# KiCad board panel.opm-inline.kicad_pcb (continued)
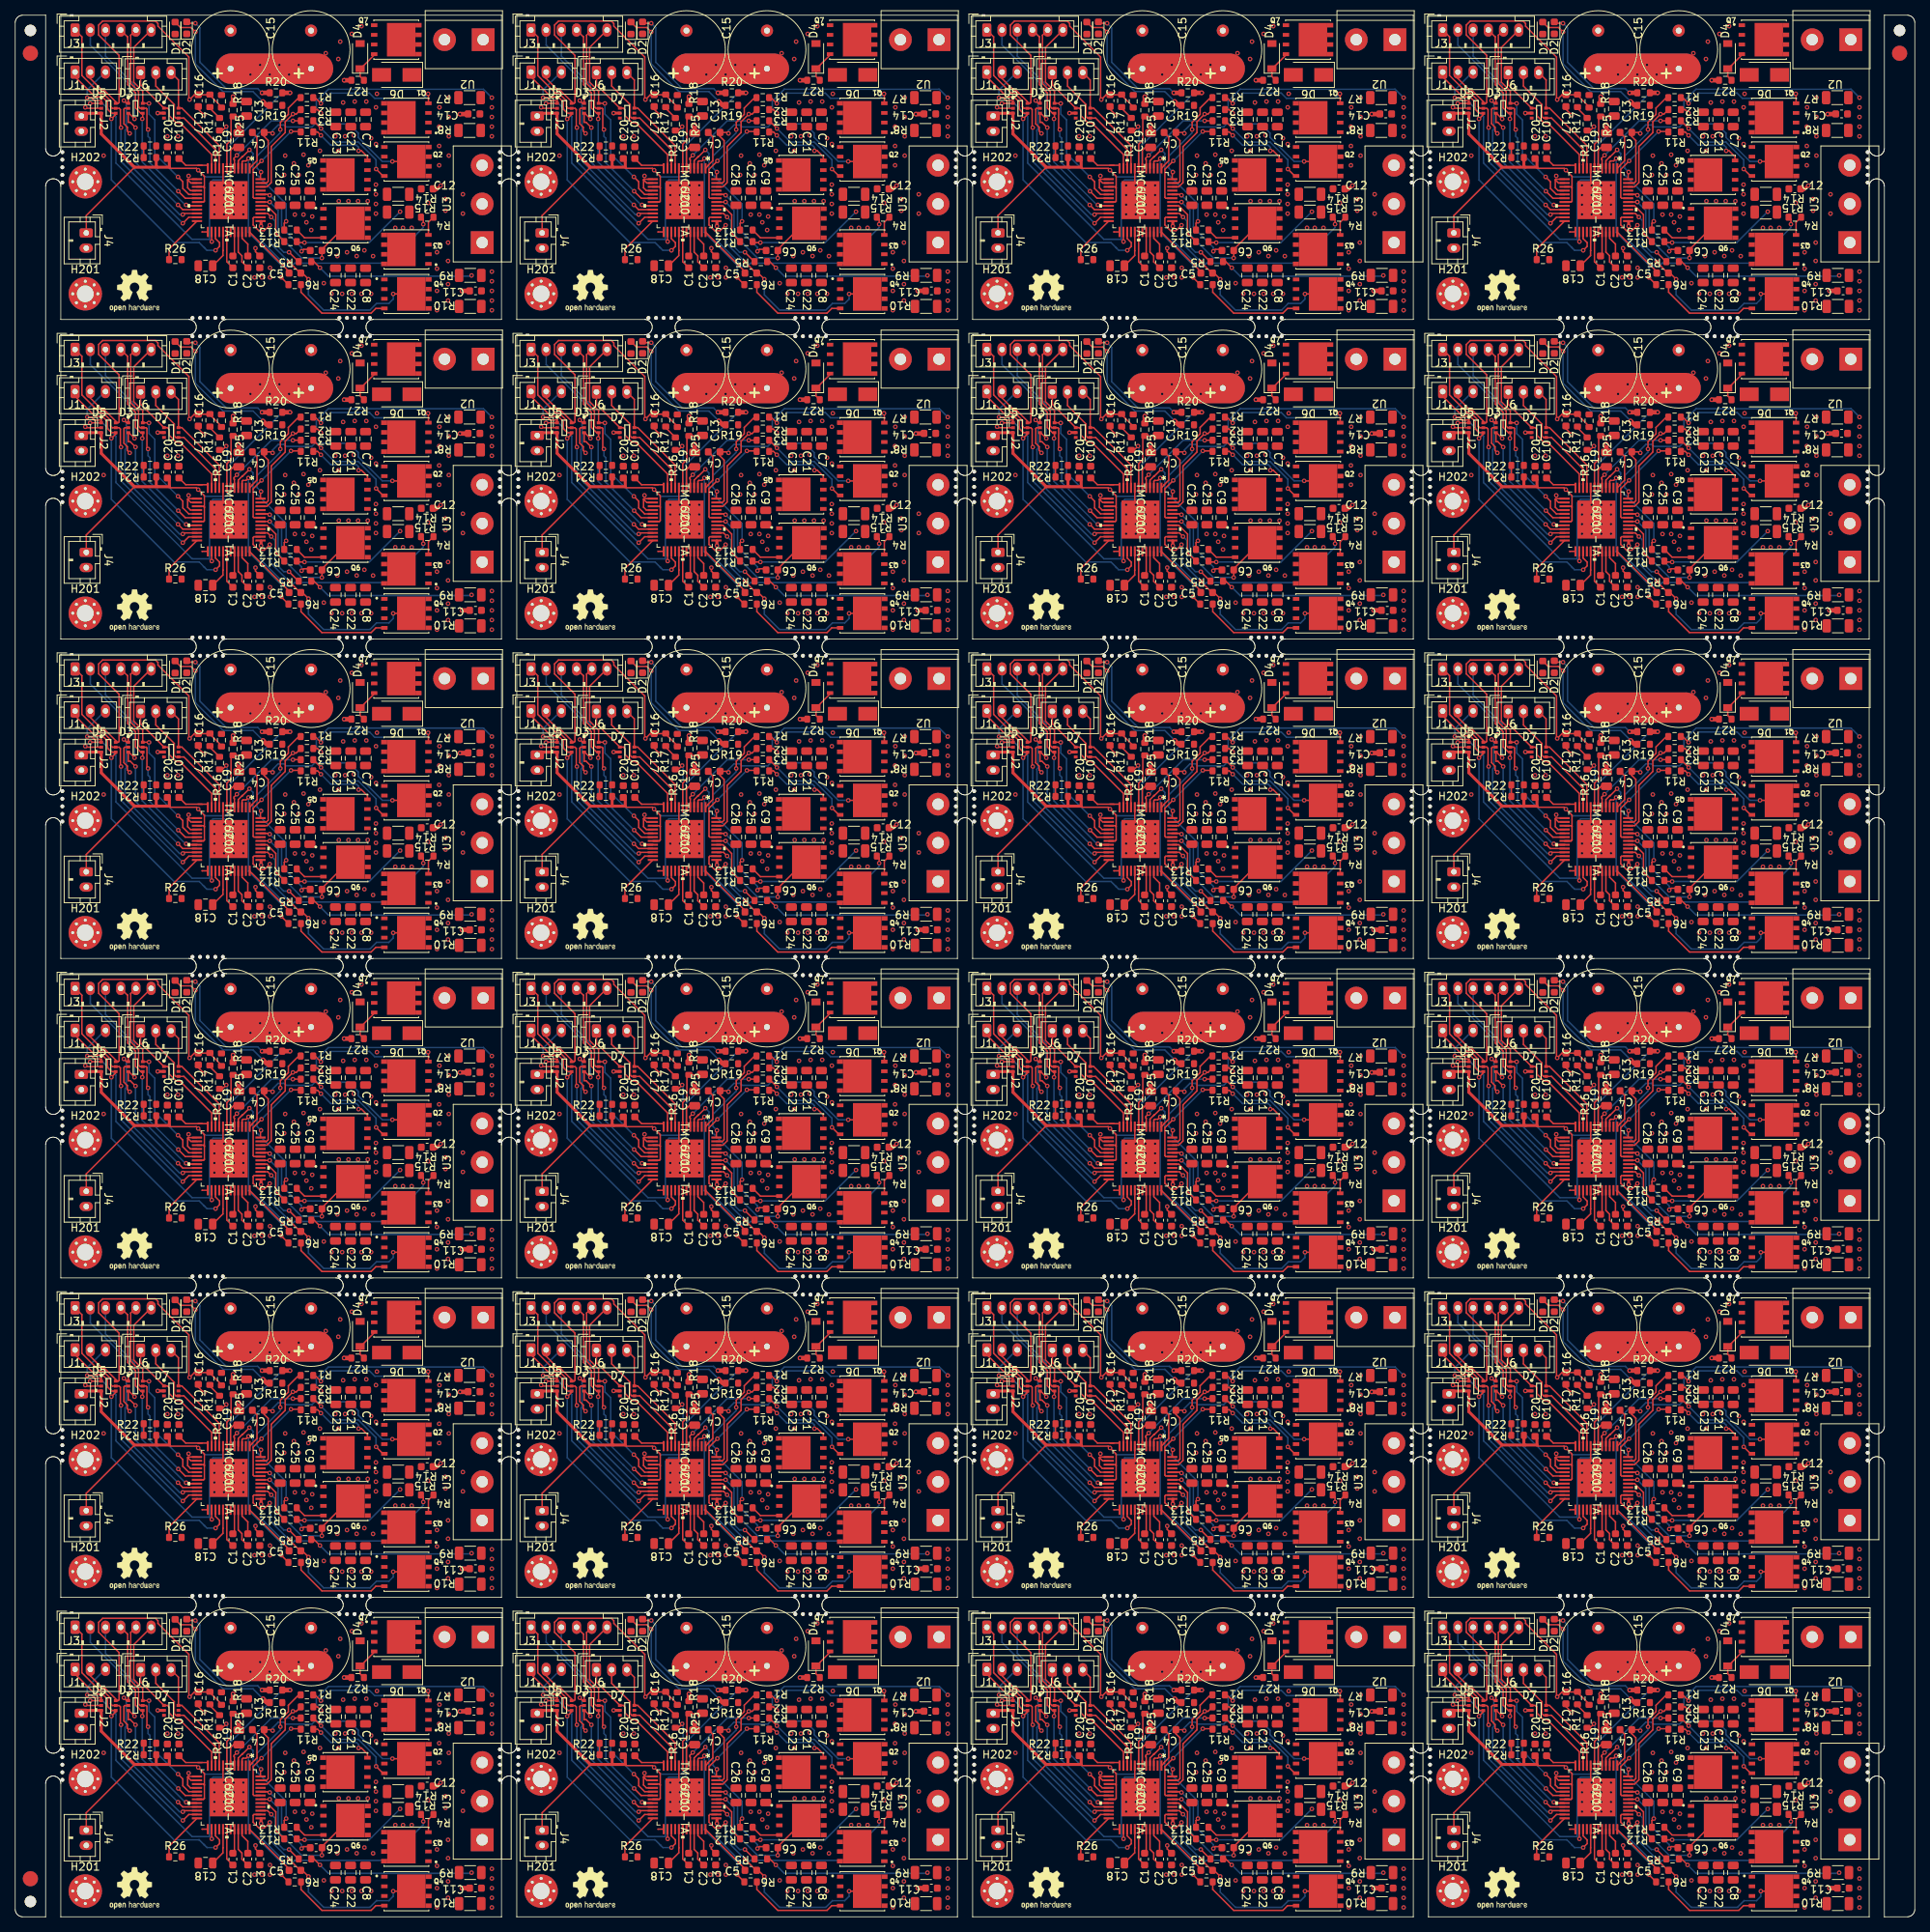
[diagram p0: board, top side]
## Placement (name value [footprint] x y rotation side) (continued)
R3#24  2R2/1%  [R_0603_1608Metric]  218.23 68.12 180 top
R4  2R2/1%  [R_0603_1608Metric]  234.03 223.41 180 top
R4#2  2R2/1%  [R_0603_1608Metric]  174.08 55.45 180 top
R4#3  2R2/1%  [R_0603_1608Metric]  234.03 97.44 180 top
R4#4  2R2/1%  [R_0603_1608Metric]  174.08 13.46 180 top
R4#5  2R2/1%  [R_0603_1608Metric]  234.03 55.45 180 top
R4#6  2R2/1%  [R_0603_1608Metric]  114.13 55.45 180 top
R4#7  2R2/1%  [R_0603_1608Metric]  54.18 223.41 180 top
R4#8  2R2/1%  [R_0603_1608Metric]  234.03 181.42 180 top
R4#9  2R2/1%  [R_0603_1608Metric]  54.18 181.42 180 top
R4#10  2R2/1%  [R_0603_1608Metric]  174.08 139.43 180 top
R4#11  2R2/1%  [R_0603_1608Metric]  114.13 223.41 180 top
R4#12  2R2/1%  [R_0603_1608Metric]  54.18 139.43 180 top
R4#13  2R2/1%  [R_0603_1608Metric]  174.08 97.44 180 top
R4#14  2R2/1%  [R_0603_1608Metric]  174.08 223.41 180 top
R4#15  2R2/1%  [R_0603_1608Metric]  114.13 13.46 180 top
R4#16  2R2/1%  [R_0603_1608Metric]  54.18 97.44 180 top
R4#17  2R2/1%  [R_0603_1608Metric]  54.18 55.45 180 top
R4#18  2R2/1%  [R_0603_1608Metric]  114.13 139.43 180 top
R4#19  2R2/1%  [R_0603_1608Metric]  114.13 97.44 180 top
R4#20  2R2/1%  [R_0603_1608Metric]  174.08 181.42 180 top
R4#21  2R2/1%  [R_0603_1608Metric]  114.13 181.42 180 top
R4#22  2R2/1%  [R_0603_1608Metric]  54.18 13.46 180 top
R4#23  2R2/1%  [R_0603_1608Metric]  234.03 139.43 180 top
R4#24  2R2/1%  [R_0603_1608Metric]  234.03 13.46 180 top
R5  10R/1%  [R_0603_1608Metric]  217.96 49.6 180 top
R5#2  10R/1%  [R_0603_1608Metric]  38.11 133.58 180 top
R5#3  10R/1%  [R_0603_1608Metric]  98.06 133.58 180 top
R5#4  10R/1%  [R_0603_1608Metric]  158.01 49.6 180 top
R5#5  10R/1%  [R_0603_1608Metric]  158.01 91.59 180 top
R5#6  10R/1%  [R_0603_1608Metric]  38.11 7.61 180 top
R5#7  10R/1%  [R_0603_1608Metric]  98.06 175.57 180 top
R5#8  10R/1%  [R_0603_1608Metric]  217.96 217.56 180 top
R5#9  10R/1%  [R_0603_1608Metric]  158.01 217.56 180 top
R5#10  10R/1%  [R_0603_1608Metric]  98.06 91.59 180 top
R5#11  10R/1%  [R_0603_1608Metric]  38.11 175.57 180 top
R5#12  10R/1%  [R_0603_1608Metric]  38.11 49.6 180 top
R5#13  10R/1%  [R_0603_1608Metric]  158.01 7.61 180 top
R5#14  10R/1%  [R_0603_1608Metric]  217.96 133.58 180 top
R5#15  10R/1%  [R_0603_1608Metric]  158.01 175.57 180 top
R5#16  10R/1%  [R_0603_1608Metric]  38.11 91.59 180 top
R5#17  10R/1%  [R_0603_1608Metric]  38.11 217.56 180 top
R5#18  10R/1%  [R_0603_1608Metric]  98.06 7.61 180 top
R5#19  10R/1%  [R_0603_1608Metric]  98.06 49.6 180 top
R5#20  10R/1%  [R_0603_1608Metric]  217.96 91.59 180 top
R5#21  10R/1%  [R_0603_1608Metric]  158.01 133.58 180 top
R5#22  10R/1%  [R_0603_1608Metric]  98.06 217.56 180 top
R5#23  10R/1%  [R_0603_1608Metric]  217.96 7.61 180 top
R5#24  10R/1%  [R_0603_1608Metric]  217.96 175.57 180 top
R6  2R2/1%  [R_0603_1608Metric]  156.66 88.57 180 top
R6#2  2R2/1%  [R_0603_1608Metric]  96.71 130.56 180 top
R6#3  2R2/1%  [R_0603_1608Metric]  96.71 46.58 180 top
R6#4  2R2/1%  [R_0603_1608Metric]  156.66 130.56 180 top
R6#5  2R2/1%  [R_0603_1608Metric]  96.71 88.57 180 top
R6#6  2R2/1%  [R_0603_1608Metric]  156.66 4.59 180 top
R6#7  2R2/1%  [R_0603_1608Metric]  216.61 172.55 180 top
R6#8  2R2/1%  [R_0603_1608Metric]  156.66 172.55 180 top
R6#9  2R2/1%  [R_0603_1608Metric]  96.71 172.55 180 top
R6#10  2R2/1%  [R_0603_1608Metric]  36.76 172.55 180 top
R6#11  2R2/1%  [R_0603_1608Metric]  36.76 214.54 180 top
R6#12  2R2/1%  [R_0603_1608Metric]  216.61 46.58 180 top
R6#13  2R2/1%  [R_0603_1608Metric]  96.71 4.59 180 top
R6#14  2R2/1%  [R_0603_1608Metric]  216.61 130.56 180 top
R6#15  2R2/1%  [R_0603_1608Metric]  216.61 4.59 180 top
R6#16  2R2/1%  [R_0603_1608Metric]  36.76 46.58 180 top
R6#17  2R2/1%  [R_0603_1608Metric]  36.76 130.56 180 top
R6#18  2R2/1%  [R_0603_1608Metric]  36.76 88.57 180 top
R6#19  2R2/1%  [R_0603_1608Metric]  216.61 214.54 180 top
R6#20  2R2/1%  [R_0603_1608Metric]  36.76 4.59 180 top
R6#21  2R2/1%  [R_0603_1608Metric]  96.71 214.54 180 top
R6#22  2R2/1%  [R_0603_1608Metric]  216.61 88.57 180 top
R6#23  2R2/1%  [R_0603_1608Metric]  156.66 214.54 180 top
R6#24  2R2/1%  [R_0603_1608Metric]  156.66 46.58 180 top
R7  0R005/1%/1W  [R_1206_3216Metric]  239.6 71.16 180 top
R7#2  0R005/1%/1W  [R_1206_3216Metric]  59.75 71.16 180 top
R7#3  0R005/1%/1W  [R_1206_3216Metric]  59.75 197.13 180 top
R7#4  0R005/1%/1W  [R_1206_3216Metric]  119.7 197.13 180 top
R7#5  0R005/1%/1W  [R_1206_3216Metric]  59.75 155.14 180 top
R7#6  0R005/1%/1W  [R_1206_3216Metric]  119.7 239.12 180 top
R7#7  0R005/1%/1W  [R_1206_3216Metric]  179.65 113.15 180 top
R7#8  0R005/1%/1W  [R_1206_3216Metric]  239.6 155.14 180 top
R7#9  0R005/1%/1W  [R_1206_3216Metric]  239.6 239.12 180 top
R7#10  0R005/1%/1W  [R_1206_3216Metric]  119.7 155.14 180 top
R7#11  0R005/1%/1W  [R_1206_3216Metric]  59.75 239.12 180 top
R7#12  0R005/1%/1W  [R_1206_3216Metric]  179.65 239.12 180 top
R7#13  0R005/1%/1W  [R_1206_3216Metric]  239.6 197.13 180 top
R7#14  0R005/1%/1W  [R_1206_3216Metric]  179.65 29.17 180 top
R7#15  0R005/1%/1W  [R_1206_3216Metric]  179.65 197.13 180 top
R7#16  0R005/1%/1W  [R_1206_3216Metric]  239.6 29.17 180 top
R7#17  0R005/1%/1W  [R_1206_3216Metric]  179.65 71.16 180 top
R7#18  0R005/1%/1W  [R_1206_3216Metric]  59.75 113.15 180 top
R7#19  0R005/1%/1W  [R_1206_3216Metric]  119.7 71.16 180 top
R7#20  0R005/1%/1W  [R_1206_3216Metric]  119.7 29.17 180 top
R7#21  0R005/1%/1W  [R_1206_3216Metric]  59.75 29.17 180 top
R7#22  0R005/1%/1W  [R_1206_3216Metric]  239.6 113.15 180 top
R7#23  0R005/1%/1W  [R_1206_3216Metric]  179.65 155.14 180 top
R7#24  0R005/1%/1W  [R_1206_3216Metric]  119.7 113.15 180 top
R8  0R005/1%/1W  [R_1206_3216Metric]  59.75 234.81 180 top
R8#2  0R005/1%/1W  [R_1206_3216Metric]  179.65 192.82 180 top
R8#3  0R005/1%/1W  [R_1206_3216Metric]  179.65 24.86 180 top
R8#4  0R005/1%/1W  [R_1206_3216Metric]  179.65 66.85 180 top
R8#5  0R005/1%/1W  [R_1206_3216Metric]  239.6 24.86 180 top
R8#6  0R005/1%/1W  [R_1206_3216Metric]  239.6 66.85 180 top
R8#7  0R005/1%/1W  [R_1206_3216Metric]  119.7 234.81 180 top
R8#8  0R005/1%/1W  [R_1206_3216Metric]  239.6 192.82 180 top
R8#9  0R005/1%/1W  [R_1206_3216Metric]  119.7 24.86 180 top
R8#10  0R005/1%/1W  [R_1206_3216Metric]  239.6 108.84 180 top
R8#11  0R005/1%/1W  [R_1206_3216Metric]  59.75 192.82 180 top
R8#12  0R005/1%/1W  [R_1206_3216Metric]  59.75 24.86 180 top
R8#13  0R005/1%/1W  [R_1206_3216Metric]  239.6 150.83 180 top
R8#14  0R005/1%/1W  [R_1206_3216Metric]  59.75 150.83 180 top
R8#15  0R005/1%/1W  [R_1206_3216Metric]  59.75 108.84 180 top
R8#16  0R005/1%/1W  [R_1206_3216Metric]  239.6 234.81 180 top
R8#17  0R005/1%/1W  [R_1206_3216Metric]  179.65 150.83 180 top
R8#18  0R005/1%/1W  [R_1206_3216Metric]  179.65 108.84 180 top
R8#19  0R005/1%/1W  [R_1206_3216Metric]  119.7 150.83 180 top
R8#20  0R005/1%/1W  [R_1206_3216Metric]  59.75 66.85 180 top
R8#21  0R005/1%/1W  [R_1206_3216Metric]  119.7 108.84 180 top
R8#22  0R005/1%/1W  [R_1206_3216Metric]  119.7 66.85 180 top
R8#23  0R005/1%/1W  [R_1206_3216Metric]  179.65 234.81 180 top
R8#24  0R005/1%/1W  [R_1206_3216Metric]  119.7 192.82 180 top
R9  0R005/1%/1W  [R_1206_3216Metric]  179.73 131.78 180 top
R9#2  0R005/1%/1W  [R_1206_3216Metric]  179.73 89.79 180 top
R9#3  0R005/1%/1W  [R_1206_3216Metric]  59.83 89.79 180 top
R9#4  0R005/1%/1W  [R_1206_3216Metric]  239.68 89.79 180 top
R9#5  0R005/1%/1W  [R_1206_3216Metric]  179.73 47.8 180 top
R9#6  0R005/1%/1W  [R_1206_3216Metric]  59.83 5.81 180 top
R9#7  0R005/1%/1W  [R_1206_3216Metric]  179.73 173.77 180 top
R9#8  0R005/1%/1W  [R_1206_3216Metric]  239.68 131.78 180 top
R9#9  0R005/1%/1W  [R_1206_3216Metric]  239.68 47.8 180 top
R9#10  0R005/1%/1W  [R_1206_3216Metric]  119.78 89.79 180 top
R9#11  0R005/1%/1W  [R_1206_3216Metric]  179.73 215.76 180 top
R9#12  0R005/1%/1W  [R_1206_3216Metric]  59.83 173.77 180 top
R9#13  0R005/1%/1W  [R_1206_3216Metric]  119.78 215.76 180 top
R9#14  0R005/1%/1W  [R_1206_3216Metric]  239.68 5.81 180 top
R9#15  0R005/1%/1W  [R_1206_3216Metric]  239.68 173.77 180 top
R9#16  0R005/1%/1W  [R_1206_3216Metric]  59.83 47.8 180 top
R9#17  0R005/1%/1W  [R_1206_3216Metric]  59.83 131.78 180 top
R9#18  0R005/1%/1W  [R_1206_3216Metric]  239.68 215.76 180 top
R9#19  0R005/1%/1W  [R_1206_3216Metric]  179.73 5.81 180 top
R9#20  0R005/1%/1W  [R_1206_3216Metric]  119.78 5.81 180 top
R9#21  0R005/1%/1W  [R_1206_3216Metric]  119.78 173.77 180 top
R9#22  0R005/1%/1W  [R_1206_3216Metric]  59.83 215.76 180 top
R9#23  0R005/1%/1W  [R_1206_3216Metric]  119.78 131.78 180 top
R9#24  0R005/1%/1W  [R_1206_3216Metric]  119.78 47.8 180 top
R10  0R005/1%/1W  [R_1206_3216Metric]  119.78 43.72 180 top
R10#2  0R005/1%/1W  [R_1206_3216Metric]  239.68 1.73 180 top
R10#3  0R005/1%/1W  [R_1206_3216Metric]  119.78 211.68 180 top
R10#4  0R005/1%/1W  [R_1206_3216Metric]  59.83 1.73 180 top
R10#5  0R005/1%/1W  [R_1206_3216Metric]  119.78 169.69 180 top
R10#6  0R005/1%/1W  [R_1206_3216Metric]  59.83 85.71 180 top
R10#7  0R005/1%/1W  [R_1206_3216Metric]  239.68 169.69 180 top
R10#8  0R005/1%/1W  [R_1206_3216Metric]  179.73 85.71 180 top
R10#9  0R005/1%/1W  [R_1206_3216Metric]  239.68 85.71 180 top
R10#10  0R005/1%/1W  [R_1206_3216Metric]  119.78 1.73 180 top
R10#11  0R005/1%/1W  [R_1206_3216Metric]  59.83 211.68 180 top
R10#12  0R005/1%/1W  [R_1206_3216Metric]  59.83 43.72 180 top
R10#13  0R005/1%/1W  [R_1206_3216Metric]  239.68 43.72 180 top
R10#14  0R005/1%/1W  [R_1206_3216Metric]  179.73 169.69 180 top
R10#15  0R005/1%/1W  [R_1206_3216Metric]  179.73 1.73 180 top
R10#16  0R005/1%/1W  [R_1206_3216Metric]  239.68 127.7 180 top
R10#17  0R005/1%/1W  [R_1206_3216Metric]  179.73 127.7 180 top
R10#18  0R005/1%/1W  [R_1206_3216Metric]  119.78 127.7 180 top
R10#19  0R005/1%/1W  [R_1206_3216Metric]  119.78 85.71 180 top
R10#20  0R005/1%/1W  [R_1206_3216Metric]  179.73 211.68 180 top
R10#21  0R005/1%/1W  [R_1206_3216Metric]  59.83 127.7 180 top
R10#22  0R005/1%/1W  [R_1206_3216Metric]  179.73 43.72 180 top
R10#23  0R005/1%/1W  [R_1206_3216Metric]  239.68 211.68 180 top
R10#24  0R005/1%/1W  [R_1206_3216Metric]  59.83 169.69 180 top
R11  2R2/1%  [R_0603_1608Metric]  158.28 108.64 180 top
R11#2  2R2/1%  [R_0603_1608Metric]  158.28 24.66 180 top
R11#3  2R2/1%  [R_0603_1608Metric]  38.38 150.63 180 top
R11#4  2R2/1%  [R_0603_1608Metric]  218.23 108.64 180 top
R11#5  2R2/1%  [R_0603_1608Metric]  38.38 234.61 180 top
R11#6  2R2/1%  [R_0603_1608Metric]  218.23 192.62 180 top
R11#7  2R2/1%  [R_0603_1608Metric]  38.38 108.64 180 top
R11#8  2R2/1%  [R_0603_1608Metric]  38.38 66.65 180 top
R11#9  2R2/1%  [R_0603_1608Metric]  218.23 150.63 180 top
R11#10  2R2/1%  [R_0603_1608Metric]  158.28 150.63 180 top
R11#11  2R2/1%  [R_0603_1608Metric]  158.28 192.62 180 top
R11#12  2R2/1%  [R_0603_1608Metric]  218.23 24.66 180 top
R11#13  2R2/1%  [R_0603_1608Metric]  38.38 192.62 180 top
R11#14  2R2/1%  [R_0603_1608Metric]  98.33 108.64 180 top
R11#15  2R2/1%  [R_0603_1608Metric]  98.33 66.65 180 top
R11#16  2R2/1%  [R_0603_1608Metric]  98.33 234.61 180 top
R11#17  2R2/1%  [R_0603_1608Metric]  98.33 150.63 180 top
R11#18  2R2/1%  [R_0603_1608Metric]  218.23 234.61 180 top
R11#19  2R2/1%  [R_0603_1608Metric]  38.38 24.66 180 top
R11#20  2R2/1%  [R_0603_1608Metric]  158.28 66.65 180 top
R11#21  2R2/1%  [R_0603_1608Metric]  218.23 66.65 180 top
R11#22  2R2/1%  [R_0603_1608Metric]  98.33 192.62 180 top
R11#23  2R2/1%  [R_0603_1608Metric]  98.33 24.66 180 top
R11#24  2R2/1%  [R_0603_1608Metric]  158.28 234.61 180 top
R12  10R/1%  [R_0603_1608Metric]  156.1 94.22 180 top
R12#2  10R/1%  [R_0603_1608Metric]  96.15 10.24 180 top
R12#3  10R/1%  [R_0603_1608Metric]  216.05 10.24 180 top
R12#4  10R/1%  [R_0603_1608Metric]  96.15 52.23 180 top
R12#5  10R/1%  [R_0603_1608Metric]  96.15 220.19 180 top
R12#6  10R/1%  [R_0603_1608Metric]  156.1 220.19 180 top
R12#7  10R/1%  [R_0603_1608Metric]  36.2 94.22 180 top
R12#8  10R/1%  [R_0603_1608Metric]  156.1 52.23 180 top
R12#9  10R/1%  [R_0603_1608Metric]  96.15 136.21 180 top
R12#10  10R/1%  [R_0603_1608Metric]  36.2 178.2 180 top
R12#11  10R/1%  [R_0603_1608Metric]  156.1 10.24 180 top
R12#12  10R/1%  [R_0603_1608Metric]  36.2 136.21 180 top
R12#13  10R/1%  [R_0603_1608Metric]  216.05 52.23 180 top
R12#14  10R/1%  [R_0603_1608Metric]  36.2 10.24 180 top
R12#15  10R/1%  [R_0603_1608Metric]  96.15 94.22 180 top
R12#16  10R/1%  [R_0603_1608Metric]  216.05 94.22 180 top
R12#17  10R/1%  [R_0603_1608Metric]  36.2 52.23 180 top
R12#18  10R/1%  [R_0603_1608Metric]  36.2 220.19 180 top
R12#19  10R/1%  [R_0603_1608Metric]  96.15 178.2 180 top
R12#20  10R/1%  [R_0603_1608Metric]  216.05 220.19 180 top
R12#21  10R/1%  [R_0603_1608Metric]  156.1 178.2 180 top
R12#22  10R/1%  [R_0603_1608Metric]  156.1 136.21 180 top
R12#23  10R/1%  [R_0603_1608Metric]  216.05 178.2 180 top
R12#24  10R/1%  [R_0603_1608Metric]  216.05 136.21 180 top
R13  2R2/1%  [R_0603_1608Metric]  36.2 137.74 180 top
R13#2  2R2/1%  [R_0603_1608Metric]  96.15 179.73 180 top
R13#3  2R2/1%  [R_0603_1608Metric]  156.1 53.76 180 top
R13#4  2R2/1%  [R_0603_1608Metric]  96.15 221.72 180 top
R13#5  2R2/1%  [R_0603_1608Metric]  36.2 221.72 180 top
R13#6  2R2/1%  [R_0603_1608Metric]  216.05 137.74 180 top
R13#7  2R2/1%  [R_0603_1608Metric]  96.15 95.75 180 top
R13#8  2R2/1%  [R_0603_1608Metric]  216.05 179.73 180 top
R13#9  2R2/1%  [R_0603_1608Metric]  36.2 95.75 180 top
R13#10  2R2/1%  [R_0603_1608Metric]  156.1 179.73 180 top
R13#11  2R2/1%  [R_0603_1608Metric]  156.1 137.74 180 top
R13#12  2R2/1%  [R_0603_1608Metric]  156.1 95.75 180 top
R13#13  2R2/1%  [R_0603_1608Metric]  216.05 53.76 180 top
R13#14  2R2/1%  [R_0603_1608Metric]  36.2 53.76 180 top
R13#15  2R2/1%  [R_0603_1608Metric]  216.05 11.77 180 top
R13#16  2R2/1%  [R_0603_1608Metric]  96.15 137.74 180 top
R13#17  2R2/1%  [R_0603_1608Metric]  216.05 221.72 180 top
R13#18  2R2/1%  [R_0603_1608Metric]  36.2 179.73 180 top
R13#19  2R2/1%  [R_0603_1608Metric]  216.05 95.75 180 top
R13#20  2R2/1%  [R_0603_1608Metric]  36.2 11.77 180 top
R13#21  2R2/1%  [R_0603_1608Metric]  96.15 11.77 180 top
R13#22  2R2/1%  [R_0603_1608Metric]  96.15 53.76 180 top
R13#23  2R2/1%  [R_0603_1608Metric]  156.1 221.72 180 top
R13#24  2R2/1%  [R_0603_1608Metric]  156.1 11.77 180 top
R14  0R005/1%/1W  [R_1206_3216Metric]  170.26 100.45 180 top
R14#2  0R005/1%/1W  [R_1206_3216Metric]  170.26 226.42 180 top
R14#3  0R005/1%/1W  [R_1206_3216Metric]  50.36 142.44 180 top
R14#4  0R005/1%/1W  [R_1206_3216Metric]  170.26 142.44 180 top
R14#5  0R005/1%/1W  [R_1206_3216Metric]  50.36 58.46 180 top
R14#6  0R005/1%/1W  [R_1206_3216Metric]  50.36 16.47 180 top
R14#7  0R005/1%/1W  [R_1206_3216Metric]  230.21 142.44 180 top
R14#8  0R005/1%/1W  [R_1206_3216Metric]  110.31 58.46 180 top
R14#9  0R005/1%/1W  [R_1206_3216Metric]  110.31 16.47 180 top
R14#10  0R005/1%/1W  [R_1206_3216Metric]  50.36 184.43 180 top
R14#11  0R005/1%/1W  [R_1206_3216Metric]  170.26 58.46 180 top
R14#12  0R005/1%/1W  [R_1206_3216Metric]  110.31 184.43 180 top
R14#13  0R005/1%/1W  [R_1206_3216Metric]  170.26 184.43 180 top
R14#14  0R005/1%/1W  [R_1206_3216Metric]  110.31 142.44 180 top
R14#15  0R005/1%/1W  [R_1206_3216Metric]  230.21 184.43 180 top
R14#16  0R005/1%/1W  [R_1206_3216Metric]  50.36 226.42 180 top
R14#17  0R005/1%/1W  [R_1206_3216Metric]  230.21 226.42 180 top
R14#18  0R005/1%/1W  [R_1206_3216Metric]  110.31 226.42 180 top
R14#19  0R005/1%/1W  [R_1206_3216Metric]  230.21 58.46 180 top
R14#20  0R005/1%/1W  [R_1206_3216Metric]  230.21 100.45 180 top
R14#21  0R005/1%/1W  [R_1206_3216Metric]  110.31 100.45 180 top
R14#22  0R005/1%/1W  [R_1206_3216Metric]  170.26 16.47 180 top
R14#23  0R005/1%/1W  [R_1206_3216Metric]  50.36 100.45 180 top
R14#24  0R005/1%/1W  [R_1206_3216Metric]  230.21 16.47 180 top
R15  0R005/1%/1W  [R_1206_3216Metric]  110.31 98.11 180 top
R15#2  0R005/1%/1W  [R_1206_3216Metric]  110.31 140.1 180 top
R15#3  0R005/1%/1W  [R_1206_3216Metric]  50.36 14.13 180 top
R15#4  0R005/1%/1W  [R_1206_3216Metric]  50.36 140.1 180 top
R15#5  0R005/1%/1W  [R_1206_3216Metric]  50.36 224.08 180 top
R15#6  0R005/1%/1W  [R_1206_3216Metric]  50.36 98.11 180 top
R15#7  0R005/1%/1W  [R_1206_3216Metric]  50.36 182.09 180 top
R15#8  0R005/1%/1W  [R_1206_3216Metric]  110.31 182.09 180 top
R15#9  0R005/1%/1W  [R_1206_3216Metric]  110.31 56.12 180 top
R15#10  0R005/1%/1W  [R_1206_3216Metric]  230.21 140.1 180 top
R15#11  0R005/1%/1W  [R_1206_3216Metric]  170.26 14.13 180 top
R15#12  0R005/1%/1W  [R_1206_3216Metric]  170.26 56.12 180 top
R15#13  0R005/1%/1W  [R_1206_3216Metric]  170.26 182.09 180 top
R15#14  0R005/1%/1W  [R_1206_3216Metric]  230.21 182.09 180 top
R15#15  0R005/1%/1W  [R_1206_3216Metric]  110.31 14.13 180 top
R15#16  0R005/1%/1W  [R_1206_3216Metric]  230.21 56.12 180 top
R15#17  0R005/1%/1W  [R_1206_3216Metric]  170.26 140.1 180 top
R15#18  0R005/1%/1W  [R_1206_3216Metric]  230.21 224.08 180 top
R15#19  0R005/1%/1W  [R_1206_3216Metric]  230.21 14.13 180 top
R15#20  0R005/1%/1W  [R_1206_3216Metric]  50.36 56.12 180 top
R15#21  0R005/1%/1W  [R_1206_3216Metric]  170.26 224.08 180 top
R15#22  0R005/1%/1W  [R_1206_3216Metric]  110.31 224.08 180 top
R15#23  0R005/1%/1W  [R_1206_3216Metric]  230.21 98.11 180 top
R15#24  0R005/1%/1W  [R_1206_3216Metric]  170.26 98.11 180 top
R16  10000R/1%  [R_0603_1608Metric]  26.87 193.63 90 top
R16#2  10000R/1%  [R_0603_1608Metric]  86.82 67.66 90 top
R16#3  10000R/1%  [R_0603_1608Metric]  206.72 235.62 90 top
R16#4  10000R/1%  [R_0603_1608Metric]  206.72 25.67 90 top
R16#5  10000R/1%  [R_0603_1608Metric]  146.77 25.67 90 top
R16#6  10000R/1%  [R_0603_1608Metric]  26.87 151.64 90 top
R16#7  10000R/1%  [R_0603_1608Metric]  86.82 193.63 90 top
R16#8  10000R/1%  [R_0603_1608Metric]  26.87 67.66 90 top
R16#9  10000R/1%  [R_0603_1608Metric]  146.77 109.65 90 top
R16#10  10000R/1%  [R_0603_1608Metric]  206.72 109.65 90 top
R16#11  10000R/1%  [R_0603_1608Metric]  86.82 235.62 90 top
R16#12  10000R/1%  [R_0603_1608Metric]  146.77 235.62 90 top
R16#13  10000R/1%  [R_0603_1608Metric]  26.87 109.65 90 top
R16#14  10000R/1%  [R_0603_1608Metric]  86.82 25.67 90 top
R16#15  10000R/1%  [R_0603_1608Metric]  206.72 151.64 90 top
R16#16  10000R/1%  [R_0603_1608Metric]  206.72 67.66 90 top
R16#17  10000R/1%  [R_0603_1608Metric]  146.77 67.66 90 top
R16#18  10000R/1%  [R_0603_1608Metric]  26.87 25.67 90 top
R16#19  10000R/1%  [R_0603_1608Metric]  86.82 151.64 90 top
R16#20  10000R/1%  [R_0603_1608Metric]  206.72 193.63 90 top
R16#21  10000R/1%  [R_0603_1608Metric]  86.82 109.65 90 top
R16#22  10000R/1%  [R_0603_1608Metric]  146.77 193.63 90 top
R16#23  10000R/1%  [R_0603_1608Metric]  26.87 235.62 90 top
R16#24  10000R/1%  [R_0603_1608Metric]  146.77 151.64 90 top
R17  4700R/1%  [R_0603_1608Metric]  205.45 238.7 90 top
R17#2  4700R/1%  [R_0603_1608Metric]  145.5 238.7 90 top
R17#3  4700R/1%  [R_0603_1608Metric]  145.5 70.74 90 top
R17#4  4700R/1%  [R_0603_1608Metric]  145.5 28.75 90 top
R17#5  4700R/1%  [R_0603_1608Metric]  85.55 112.73 90 top
R17#6  4700R/1%  [R_0603_1608Metric]  25.6 70.74 90 top
R17#7  4700R/1%  [R_0603_1608Metric]  85.55 238.7 90 top
R17#8  4700R/1%  [R_0603_1608Metric]  205.45 196.71 90 top
R17#9  4700R/1%  [R_0603_1608Metric]  25.6 154.72 90 top
R17#10  4700R/1%  [R_0603_1608Metric]  205.45 70.74 90 top
R17#11  4700R/1%  [R_0603_1608Metric]  85.55 70.74 90 top
R17#12  4700R/1%  [R_0603_1608Metric]  205.45 154.72 90 top
R17#13  4700R/1%  [R_0603_1608Metric]  145.5 112.73 90 top
R17#14  4700R/1%  [R_0603_1608Metric]  25.6 196.71 90 top
R17#15  4700R/1%  [R_0603_1608Metric]  85.55 154.72 90 top
R17#16  4700R/1%  [R_0603_1608Metric]  25.6 28.75 90 top
R17#17  4700R/1%  [R_0603_1608Metric]  205.45 28.75 90 top
R17#18  4700R/1%  [R_0603_1608Metric]  145.5 196.71 90 top
R17#19  4700R/1%  [R_0603_1608Metric]  25.6 238.7 90 top
R17#20  4700R/1%  [R_0603_1608Metric]  25.6 112.73 90 top
R17#21  4700R/1%  [R_0603_1608Metric]  205.45 112.73 90 top
R17#22  4700R/1%  [R_0603_1608Metric]  145.5 154.72 90 top
R17#23  4700R/1%  [R_0603_1608Metric]  85.55 28.75 90 top
R17#24  4700R/1%  [R_0603_1608Metric]  85.55 196.71 90 top
R18  4700R/1%  [R_0603_1608Metric]  206.97 28.68 90 top
R18#2  4700R/1%  [R_0603_1608Metric]  87.07 28.68 90 top
R18#3  4700R/1%  [R_0603_1608Metric]  87.07 70.67 90 top
R18#4  4700R/1%  [R_0603_1608Metric]  206.97 112.66 90 top
R18#5  4700R/1%  [R_0603_1608Metric]  147.02 112.66 90 top
R18#6  4700R/1%  [R_0603_1608Metric]  87.07 238.64 90 top
R18#7  4700R/1%  [R_0603_1608Metric]  27.12 70.67 90 top
R18#8  4700R/1%  [R_0603_1608Metric]  206.97 196.64 90 top
R18#9  4700R/1%  [R_0603_1608Metric]  147.02 154.65 90 top
R18#10  4700R/1%  [R_0603_1608Metric]  206.97 70.67 90 top
R18#11  4700R/1%  [R_0603_1608Metric]  147.02 238.64 90 top
R18#12  4700R/1%  [R_0603_1608Metric]  87.07 196.64 90 top
R18#13  4700R/1%  [R_0603_1608Metric]  27.12 154.65 90 top
R18#14  4700R/1%  [R_0603_1608Metric]  206.97 238.64 90 top
R18#15  4700R/1%  [R_0603_1608Metric]  27.12 196.64 90 top
R18#16  4700R/1%  [R_0603_1608Metric]  27.12 28.68 90 top
R18#17  4700R/1%  [R_0603_1608Metric]  147.02 70.67 90 top
R18#18  4700R/1%  [R_0603_1608Metric]  87.07 154.65 90 top
R18#19  4700R/1%  [R_0603_1608Metric]  87.07 112.66 90 top
R18#20  4700R/1%  [R_0603_1608Metric]  27.12 238.64 90 top
R18#21  4700R/1%  [R_0603_1608Metric]  147.02 28.68 90 top
R18#22  4700R/1%  [R_0603_1608Metric]  27.12 112.66 90 top
R18#23  4700R/1%  [R_0603_1608Metric]  147.02 196.64 90 top
R18#24  4700R/1%  [R_0603_1608Metric]  206.97 154.65 90 top
R19  1000R/1%  [R_0603_1608Metric]  94.25 238.1 0 top
R19#2  1000R/1%  [R_0603_1608Metric]  94.25 70.14 0 top
R19#3  1000R/1%  [R_0603_1608Metric]  214.15 238.1 0 top
R19#4  1000R/1%  [R_0603_1608Metric]  34.3 70.14 0 top
R19#5  1000R/1%  [R_0603_1608Metric]  94.25 28.15 0 top
R19#6  1000R/1%  [R_0603_1608Metric]  154.2 238.1 0 top
R19#7  1000R/1%  [R_0603_1608Metric]  154.2 28.15 0 top
R19#8  1000R/1%  [R_0603_1608Metric]  214.15 154.12 0 top
R19#9  1000R/1%  [R_0603_1608Metric]  214.15 70.14 0 top
R19#10  1000R/1%  [R_0603_1608Metric]  214.15 112.13 0 top
R19#11  1000R/1%  [R_0603_1608Metric]  154.2 196.11 0 top
R19#12  1000R/1%  [R_0603_1608Metric]  154.2 70.14 0 top
R19#13  1000R/1%  [R_0603_1608Metric]  214.15 28.15 0 top
R19#14  1000R/1%  [R_0603_1608Metric]  34.3 238.1 0 top
R19#15  1000R/1%  [R_0603_1608Metric]  34.3 154.12 0 top
R19#16  1000R/1%  [R_0603_1608Metric]  94.25 196.11 0 top
R19#17  1000R/1%  [R_0603_1608Metric]  214.15 196.11 0 top
R19#18  1000R/1%  [R_0603_1608Metric]  154.2 112.13 0 top
R19#19  1000R/1%  [R_0603_1608Metric]  154.2 154.12 0 top
R19#20  1000R/1%  [R_0603_1608Metric]  34.3 28.15 0 top
R19#21  1000R/1%  [R_0603_1608Metric]  94.25 154.12 0 top
R19#22  1000R/1%  [R_0603_1608Metric]  34.3 196.11 0 top
R19#23  1000R/1%  [R_0603_1608Metric]  94.25 112.13 0 top
R19#24  1000R/1%  [R_0603_1608Metric]  34.3 112.13 0 top
R20  150R/1%  [R_0603_1608Metric]  94.25 29.8 0 top
R20#2  150R/1%  [R_0603_1608Metric]  94.25 113.78 0 top
R20#3  150R/1%  [R_0603_1608Metric]  154.2 239.75 0 top
R20#4  150R/1%  [R_0603_1608Metric]  214.15 29.8 0 top
R20#5  150R/1%  [R_0603_1608Metric]  154.2 197.76 0 top
R20#6  150R/1%  [R_0603_1608Metric]  154.2 113.78 0 top
R20#7  150R/1%  [R_0603_1608Metric]  34.3 197.76 0 top
R20#8  150R/1%  [R_0603_1608Metric]  214.15 197.76 0 top
R20#9  150R/1%  [R_0603_1608Metric]  34.3 239.75 0 top
R20#10  150R/1%  [R_0603_1608Metric]  214.15 155.77 0 top
R20#11  150R/1%  [R_0603_1608Metric]  94.25 197.76 0 top
R20#12  150R/1%  [R_0603_1608Metric]  94.25 155.77 0 top
R20#13  150R/1%  [R_0603_1608Metric]  34.3 155.77 0 top
R20#14  150R/1%  [R_0603_1608Metric]  34.3 29.8 0 top
R20#15  150R/1%  [R_0603_1608Metric]  154.2 155.77 0 top
R20#16  150R/1%  [R_0603_1608Metric]  154.2 29.8 0 top
R20#17  150R/1%  [R_0603_1608Metric]  214.15 71.79 0 top
R20#18  150R/1%  [R_0603_1608Metric]  94.25 71.79 0 top
R20#19  150R/1%  [R_0603_1608Metric]  94.25 239.75 0 top
R20#20  150R/1%  [R_0603_1608Metric]  214.15 239.75 0 top
R20#21  150R/1%  [R_0603_1608Metric]  34.3 71.79 0 top
R20#22  150R/1%  [R_0603_1608Metric]  154.2 71.79 0 top
R20#23  150R/1%  [R_0603_1608Metric]  34.3 113.78 0 top
R20#24  150R/1%  [R_0603_1608Metric]  214.15 113.78 0 top
R21  1000R/1%  [R_0603_1608Metric]  77.67 63.28 180 top
R21#2  1000R/1%  [R_0603_1608Metric]  17.72 105.27 180 top
R21#3  1000R/1%  [R_0603_1608Metric]  197.57 189.25 180 top
R21#4  1000R/1%  [R_0603_1608Metric]  197.57 63.28 180 top
R21#5  1000R/1%  [R_0603_1608Metric]  77.67 189.25 180 top
R21#6  1000R/1%  [R_0603_1608Metric]  137.62 105.27 180 top
R21#7  1000R/1%  [R_0603_1608Metric]  137.62 231.24 180 top
R21#8  1000R/1%  [R_0603_1608Metric]  197.57 105.27 180 top
R21#9  1000R/1%  [R_0603_1608Metric]  17.72 231.24 180 top
R21#10  1000R/1%  [R_0603_1608Metric]  17.72 63.28 180 top
R21#11  1000R/1%  [R_0603_1608Metric]  137.62 147.26 180 top
R21#12  1000R/1%  [R_0603_1608Metric]  137.62 63.28 180 top
R21#13  1000R/1%  [R_0603_1608Metric]  77.67 105.27 180 top
R21#14  1000R/1%  [R_0603_1608Metric]  77.67 147.26 180 top
